# Altium PCB generic_shield.PcbDoc (part 1 of 2) (continued)
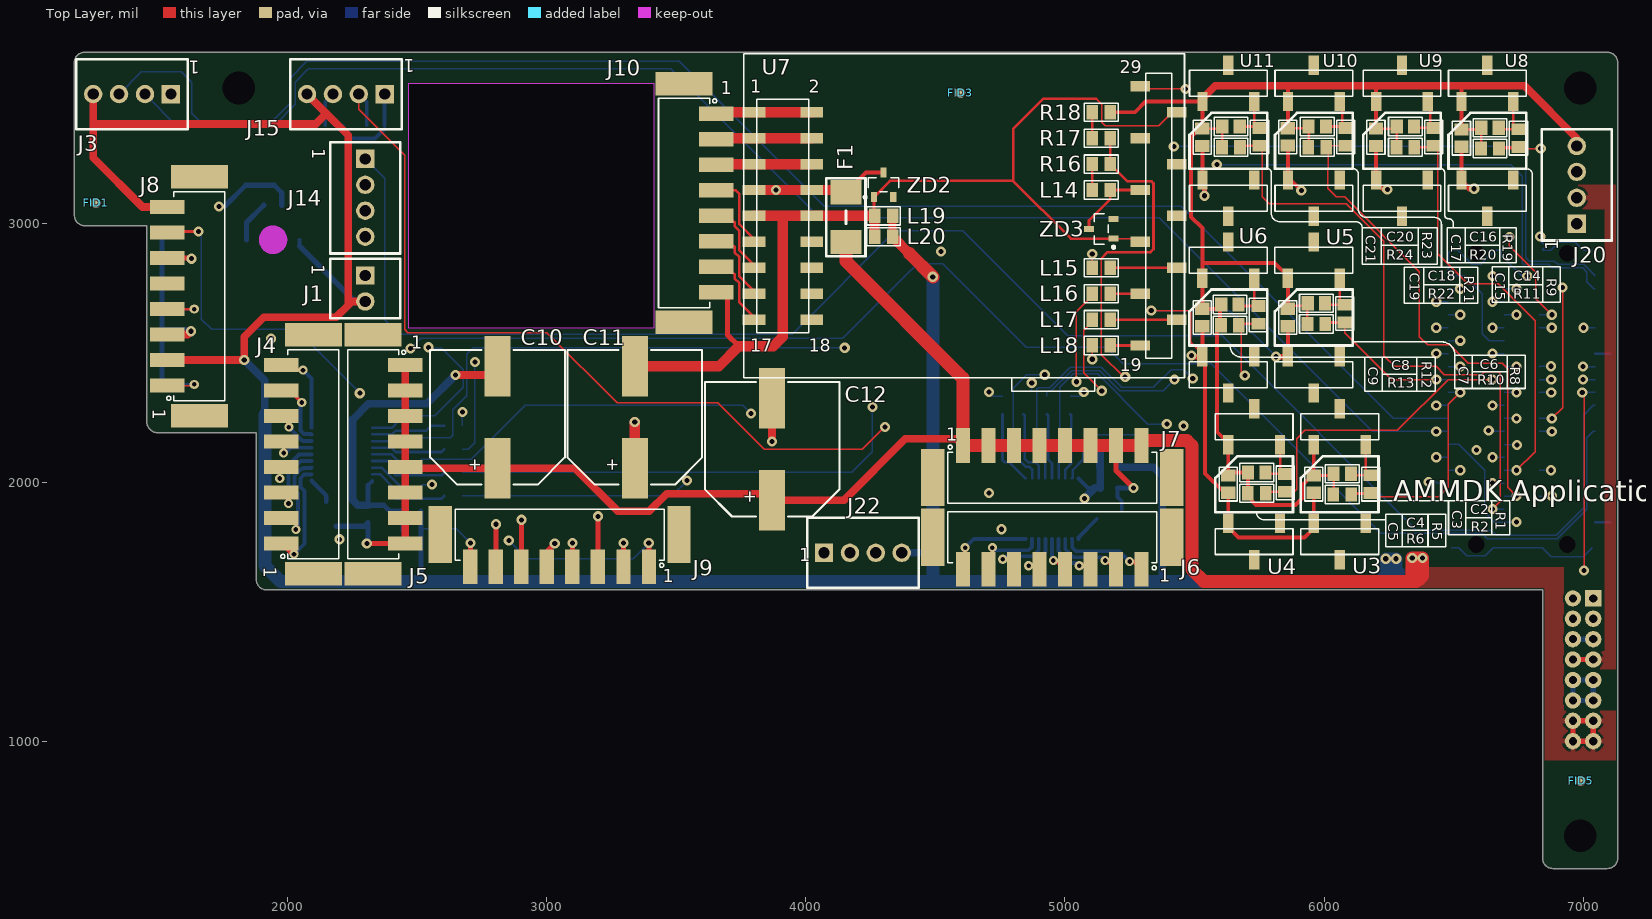
[diagram p0: Top Layer view]
## Footprints (in the part's own frame and the unit in brackets; to place one, negate y for a bottom-side part, rotate by r counter-clockwise, add the part's x,y. Pads: shape width x height; smd on the part's side, far side on the other; paste and mask are expansions set on the pad) (continued)
PLCC-2 [mm] "Reverse gullwing LED"
  rect 1.4x2.6 smd paste-10: 1(-2.6,0) 2(2.6,0)
  Keep-Out Layer circle w1.6: c0,0 r0.6
  silkscreen extent -3.5,-1.7 3.5,1.7, body extent -2.58,-1.4 2.62,1.4, height 1.87
RESC2012X07N_SAMSUNG [mm] "Chip Resistor, 2-Leads, Body 2.00x1.25mm, IPC Medium Density"
  rect 1.15x1.4 smd: 1(-0.875,0) 2(0.875,0)
  silkscreen extent -1.65,-0.89 1.65,0.89, body extent -1.1,-0.7 1.1,0.7, height 0.65
SOT95P237X111-3N [mm] "SOT23, 3-Leads, Body 2.92x2.37mm, Pitch 0.95mm, IPC Medium Density"
  rect 1x0.6 smd: 1(-1.2,0.95) 2(-1.2,-0.95) 3(1.2,0)
  silkscreen extent -1.32,-1.5 0.7,1.93, body extent -0.7,-1.52 0.7,1.52, height 1.11
TSOP65P640X155-18N [mm] "TSOP, 18-Leads, Body 6.60x4.40mm, Pitch 0.65mm, IPC Medium Density"
  oval 1.4x0.45 smd: 1(-2.975,2.6) 2(-2.975,1.95) 3(-2.975,1.3) 4(-2.975,0.65) 5(-2.975,0) 6(-2.975,-0.65) 7(-2.975,-1.3) 8(-2.975,-1.95) 9(-2.975,-2.6) 10(2.975,-2.6) 11(2.975,-1.95) 12(2.975,-1.3) 13(2.975,-0.65) 14(2.975,0) 15(2.975,0.65) 16(2.975,1.3) 17(2.975,1.95) 18(2.975,2.6)
  silkscreen extent -3.1,-3.4 1.87,3.5, body extent -3.2,-3.4 3.2,3.4, height 1.55

## Part data
C1 C3 C5 C7 C9 C13 C15 C17 C19 C21: library part CL21F104ZBCNNNC, "CAP CER 0.1UF 50V Y5V 0805", Capacitance=0.10µF, Manufacturer="Samsung Electro-Mechanics America, Inc.", Operating Temperature="-30°C ~ 85°C", Package / Case="0805 (2012 Metric)", Ratings=-, Supplier Part Number 1=1276-1007-1-ND, Temperature Coefficient="Y5V (F)", Tolerance="-20%, +80%", Voltage - Rated=50V, Applications="General Purpose", Category=Capacitors, ComponentLink1Description=http://www.samsungsem.com/kr/support/product-search/mlcc/CL21F104ZBCNNNC.jsp, ComponentLink1URL=http://www.samsungsem.com/kr/support/product-search/mlcc/CL21F104ZBCNNNC.jsp, Features=-, Height - Seated (Max)=-, Lead Spacing=-, Lead Style=-, Manufacturer Part Number=CL21F104ZBCNNNC, Mounting Type="Surface Mount, MLCC", Packaging="Cut Tape (CT)", Pricing 1="1=0.1, 10=0.031, 25=0.022, 50=0.017, 100=0.0144, 500=0.01004, 1000=0.00783 (USD)", RoHS="RoHS Compliant", Size / Dimension="0.079\" L x 0.049\" W (2.00mm x 1.25mm)", Stock 1=1030146, Supplier 1=Digi-Key, Thickness (Max)="0.037\" (0.95mm)"
C2 C4 C6 C8 C14 C16 C18 C20: library part CL21C102JBCNNNC, "CAP CER 1nF 50V C0G/NP0 0805", Capacitance=0.10µF, Manufacturer="Samsung Electro-Mechanics America, Inc.", Manufacturer Part Number=CL21F104ZBCNNNC, Operating Temperature="-30°C ~ 85°C", Package / Case="0805 (2012 Metric)", Ratings=-, Supplier Part Number 1=1276-1147-1-ND, Temperature Coefficient="Y5V (F)", Tolerance="-20%, +80%", Voltage - Rated=50V, Applications="General Purpose", Category=Capacitors, ComponentLink1Description=http://www.samsungsem.com/kr/support/product-search/mlcc/CL21F104ZBCNNNC.jsp, ComponentLink1URL=http://www.samsungsem.com/kr/support/product-search/mlcc/CL21F104ZBCNNNC.jsp, Features=-, Height - Seated (Max)=-, Lead Spacing=-, Lead Style=-, Mounting Type="Surface Mount, MLCC", Packaging="Cut Tape (CT)", RoHS="RoHS Compliant", Size / Dimension="0.079\" L x 0.049\" W (2.00mm x 1.25mm)", Supplier 1=Digi-Key, Thickness (Max)="0.037\" (0.95mm)"
C10 C11 C12: library part EMVH350ARA331MKE0S, "CAP ALUM 330UF 20% 35V SMD", Supplier Part Number 1=565-2316-1-ND, Supplier 1=Digi-Key
D1: "LED BLUE CLEAR 2PLCC SMD", Color=Blue, Current - Test=20mA, Lens Color=Colorless, Manufacturer=SunLED, Millicandela Rating=447mcd, Package / Case="2-SMD, Z-Bend", Supplier Device Package=2-PLCC, Supplier Part Number 1=1497-1233-1-ND, Voltage - Forward (Vf) (Typ)=3.3V, Category=Optoelectronics, ComponentLink1Description=http://www.sunledusa.com/products/spec/XZFBB45S-9.pdf, ComponentLink1URL=http://www.sunledusa.com/products/spec/XZFBB45S-9.pdf, Configuration=Standard, Features=-, Height (Max)=1.90mm, Lens Size="2.40mm Dia", Lens Style="Round with Flat Top", Lens Transparency=Clear, Manufacturer Part Number=XZFBB45S-9, Mounting Type="Surface Mount, Bottom Entry", Packaging="Cut Tape (CT)", Part Status=Active, Pricing 1="1=0.83, 10=0.651, 25=0.5456, 100=0.4752, 250=0.4224, 500=0.3696, 1000=0.2992 (USD)", RoHS="RoHS Compliant", Size / Dimension="3.20mm L x 2.80mm W", Stock 1=5275, Supplier 1=Digi-Key, Viewing Angle=120°, Wavelength - Dominant=470nm, Wavelength - Peak=465nm
F1: library part 0157010.DR, "FUSE BRD MNT 10A 125VAC/VDC SMD", Breaking Capacity @ Rated Voltage="35A AC, 50A DC", Color=-, Manufacturer="Littelfuse Inc.", Operating Temperature="-55°C ~ 125°C", Package / Case="2-SMD, Square End Block with Clip", Supplier Part Number 1=F2973CT-ND, Approvals="cULus, PSE", Category="Circuit Protection", ComponentLink1Description=http://www.littelfuse.com/products/fuse-blocks-fuseholders-and-fuse-accessories/fuse-clips/~/media/electronics/datasheets/fuses/littelfuse_fuse_157_datasheet.pdf.pdf, ComponentLink1URL=http://www.littelfuse.com/products/fuse-blocks-fuseholders-and-fuse-accessories/fuse-clips/~/media/electronics/datasheets/fuses/littelfuse_fuse_157_datasheet.pdf.pdf, Fuse Type="Board Mount (Cartridge Style Excluded)", Manufacturer Part Number=0157010.DR, Mounting Type="Holder, Surface Mount", Packaging="Cut Tape (CT)", Part Status=Active, Pricing 1="1=2.73, 5=2.6, 10=2.47, 50=1.9936, 100=1.6903, 250=1.64692, 500=1.38688 (USD)", Response Time=Fast, RoHS="RoHS Compliant", Size / Dimension="0.256\" L x 0.146\" W x 0.154\" H (6.50mm x 3.70mm x 3.90mm)", Stock 1=6229, Supplier 1=Digi-Key
FID1 FID2 FID3 FID4 FID5 FID6: library part fiducial
J1: "2 Position Wire to Board Terminal Block", Supplier Part Number 1=A98333-ND, Supplier 1=Digi-Key
J2: "Headers & Wire Housings 2MM V PCB HEADER 16P DR THRU-HOLE GLD", Current Rating="2 A", Manufacturer="Hirose Connector", Supplier Part Number 1=H2856-ND, Voltage Rating="250 V", Brand="Hirose Connector", Category="Headers & Wire Housings", ComponentLink1Description=http://www.mouser.com/datasheet/2/185/DF11_catalog-939040.pdf, ComponentLink1URL=http://www.mouser.com/datasheet/2/185/DF11_catalog-939040.pdf, Contact Material=Brass, Contact Plating=Gold, Manufacturer Part Number=DF11-16DP-2DSA(01), Minimum Order Quantity=1, Mounting Angle=Vertical, Mounting Style=-, Number of Positions="16 Position", Number of Rows="2 Row", Packaging=Bulk, Pitch="2 mm", Product=Headers, Reeling=False, RoHS="RoHS Compliant", RoHS - Mouser=Y, Series=DF11, Standard Pack Qty=100, Supplier 1=Digi-Key, Termination Style="Through Hole", Type=Shrouded
J3 J14 J15 J20 J22: "4 Position Wire to Board Terminal Block", Supplier Part Number 1=A98335-ND, Supplier 1=Digi-Key
J4 J5 J6 J7 J8 J9 J10: "CONN TERM BLK 8POS 2.5MM SMD", Color=Black, Manufacturer="Phoenix Contact", Operating Temperature=-, Supplier Part Number 1=277-2078-1-ND, Category="Connectors, Interconnects", Clamp Material - Plating=-, ComponentLink1Description=https://media.digikey.com/pdf/Data%20Sheets/Phoenix%20Contact%20PDFs/1771156.pdf, ComponentLink1URL=https://media.digikey.com/pdf/Data%20Sheets/Phoenix%20Contact%20PDFs/1771156.pdf, Contact Material - Plating=-, Features="Solder Retention", Housing Material="Liquid Crystal Polymer (LCP)", Manufacturer Part Number=1771156, Mating Orientation="Vertical with Board", Mounting Type="Surface Mount", Packaging="Cut Tape (CT)", Part Status=Active, Pitch="0.098\" (2.50mm)", Positions Per Level=8, Pricing 1="1=1.39, 10=1.334, 50=1.276, 100=1.2412 (USD)", RoHS="RoHS Compliant", Screw Material - Plating=-, Screw Thread=-, Stock 1=2856, Supplier 1=Digi-Key, Torque - Screw=-, Wire Gauge="20-26 AWG", Wire Termination="Screwless - Spring Cage, Tension Clamp"
J16 J17: "Board to Board & Mezzanine Connectors 40P 1.27 SMC Male", Current Rating="1.2 A", Flammability Rating="UL 94 V-0", Insulation Resistance="10 GOhms", Manufacturer=Harwin, Maximum Operating Temperature="+ 125 C", Minimum Operating Temperature="- 55 C", Supplier Part Number 1=952-3871-1-ND, Voltage Rating="100 V", Brand=Harwin, Category="Board to Board & Mezzanine Connectors", ComponentLink1Description=http://www.mouser.com/datasheet/2/181/M55-70X-1286676.pdf, ComponentLink1URL=http://www.mouser.com/datasheet/2/181/M55-70X-1286676.pdf, Contact Material="Phosphor Bronze", Contact Plating=Gold, Housing Material="Liquid Crystal Polymer (LCP)", Manufacturer Part Number=M55-7004042R, Minimum Order Quantity=1, Mounting Angle=Straight, Mounting Style="Mounting Peg", Number of Positions="40 Position", Number of Rows="2 Row", Packaging="Cut Tape", Pitch="1.27 mm", Product=Headers, Product Status="New Product", Reeling=True, RoHS="RoHS Compliant", RoHS - Mouser=Y, Stack Height="6.75 mm", Standard Pack Qty=500, Supplier 1=Digi-Key, Termination Post Length="4 mm", Termination Style=SMD/SMT, Tradename="Archer Kontrol"
L1 L2 L3 L4 L5 L6 L7 L8 L9 L10 L11 L12 L13 L14 L15 L16 L17 L18 L19 L20 L21 L22 L23 L24 L25 L26 L27 L28: "EMI Filter Beads, Chips & Arrays Impedance 30ohms IDC 3.0", Capacitance=-, Current Rating (Max)=3A, DC Resistance (DCR) (Max)="25 mOhm", Impedance @ Frequency="30 Ohm @ 100MHz", Manufacturer=Bourns, Maximum DC Current="3 A", Maximum DC Resistance="25 mOhms", Operating Temperature="-55°C ~ 125°C", Operating Temperature Range="- 55 C to + 125 C", Package / Case="0805 (2012 metric)", Supplier Part Number 1=MH2029-300YCT-ND, Test Frequency="100 MHz", Tolerance="25 %", Brand=Bourns, Category="EMI Filter Beads, Chips & Arrays", ComponentLink1Description=http://www.mouser.com/ds/2/54/h-777565.pdf, ComponentLink1URL=http://www.mouser.com/ds/2/54/h-777565.pdf, ComponentLink2Description=http://www.bourns.com/docs/Product-Datasheets/mh.pdf, ComponentLink2URL=http://www.bourns.com/docs/Product-Datasheets/mh.pdf, Filter Type="Power, Signal Line", Height="0.9 mm", Height (Max)="0.043\" (1.10mm)", Impedance="30 Ohms", Length="2 mm", Manufacturer Part Number=MH2029-300Y, Minimum Order Quantity=1, Mounting Type="Surface Mount", Number of Lines=1, Packaging=Reel, Pricing 1="1=0.1, 10=0.062, 25=0.0568, 50=0.051, 100=0.0375, 250=0.02724, 500=0.02498, 1000=0.02157 (USD)", Product="Ferrite Chip Beads", Product Category="SMD Ferrite Bead", Ratings=-, Reeling=True, RoHS="RoHS Compliant", RoHS - Mouser=Y, Size / Dimension="0.079\" L x 0.047\" W (2.00mm x 1.20mm)", Standard Pack Qty=4000, Stock 1=62738, Supplier 1=Digi-Key, Termination Style=SMD/SMT, Type="High Current Chip Ferrite Bead", Width="1.2 mm"
R1 R5 R8 R9 R12 R16 R19 R21 R23: library part RC2012F122CS, "RES SMD 1.2K OHM 1% 1/8W 0805", Manufacturer="Samsung Electro-Mechanics America, Inc.", Manufacturer Part Number=RC2012F103CS, Operating Temperature="-55°C ~ 155°C", Package / Case="0805 (2012 Metric)", Power (Watts)="0.125W, 1/8W", Resistance (Ohms)=10k, Supplier Part Number 1=1276-5275-1-ND, Temperature Coefficient=±100ppm/°C, Tolerance=±1%, Category=Resistors, ComponentLink1Description=http://media.digikey.com/pdf/Data%20Sheets/Samsung%20PDFs/RC_Series_ds.pdf, ComponentLink1URL=http://media.digikey.com/pdf/Data%20Sheets/Samsung%20PDFs/RC_Series_ds.pdf, Composition="Thick Film", Features="Moisture Resistant", Height="0.024\" (0.60mm)", Number of Terminations=2, Packaging="Cut Tape (CT)", RoHS="RoHS Compliant", Size / Dimension="0.079\" L x 0.049\" W (2.00mm x 1.25mm)", Supplier 1=Digi-Key, Supplier Device Package="0805 (2012 Metric)"
R2 R6 R10 R11 R13 R17 R18 R20 R22 R24: library part RC2012F222CS, "RES SMD 2.2K OHM 1% 1/8W 0805", Manufacturer="Samsung Electro-Mechanics America, Inc.", Manufacturer Part Number=RC2012F103CS, Operating Temperature="-55°C ~ 155°C", Package / Case="0805 (2012 Metric)", Power (Watts)="0.125W, 1/8W", Resistance (Ohms)=10k, Supplier Part Number 1=1276-5290-1-ND, Temperature Coefficient=±100ppm/°C, Tolerance=±1%, Category=Resistors, ComponentLink1Description=http://media.digikey.com/pdf/Data%20Sheets/Samsung%20PDFs/RC_Series_ds.pdf, ComponentLink1URL=http://media.digikey.com/pdf/Data%20Sheets/Samsung%20PDFs/RC_Series_ds.pdf, Composition="Thick Film", Features="Moisture Resistant", Height="0.024\" (0.60mm)", Number of Terminations=2, Packaging="Cut Tape (CT)", RoHS="RoHS Compliant", Size / Dimension="0.079\" L x 0.049\" W (2.00mm x 1.25mm)", Supplier 1=Digi-Key, Supplier Device Package="0805 (2012 Metric)"
R3 R4 R7 R14 R15: library part RC2012F103CS, "RES SMD 10K OHM 1% 1/8W 0805", Manufacturer="Samsung Electro-Mechanics America, Inc.", Operating Temperature="-55°C ~ 155°C", Package / Case="0805 (2012 Metric)", Power (Watts)="0.125W, 1/8W", Supplier Part Number 1=1276-5332-1-ND, Temperature Coefficient=±100ppm/°C, Tolerance=±1%, Category=Resistors, ComponentLink1Description=http://media.digikey.com/pdf/Data%20Sheets/Samsung%20PDFs/RC_Series_ds.pdf, ComponentLink1URL=http://media.digikey.com/pdf/Data%20Sheets/Samsung%20PDFs/RC_Series_ds.pdf, Composition="Thick Film", Features="Moisture Resistant", Height="0.024\" (0.60mm)", Manufacturer Part Number=RC2012F103CS, Number of Terminations=2, Packaging="Cut Tape (CT)", Resistance (Ohms)=10k, RoHS="RoHS Compliant", Size / Dimension="0.079\" L x 0.049\" W (2.00mm x 1.25mm)", Supplier 1=Digi-Key, Supplier Device Package="0805 (2012 Metric)"
U2 U12: "8channel source type DMOS transistor array", Supplier Part Number 1=TBD62083AFNGELCT-ND, Supplier 1=Digi-Key
U3 U4 U5 U6 U8 U9 U10 U11: "Pressure Sensor 15 PSIG", Supplier Part Number 1=480-6253-ND, Supplier 1=Digi-Key, Supplier 2=Digi-Key, Supplier Part Number 2=SAM1148-03-ND
U7: "4-Q servo controller for DC/EC motors, 2/6 A, 10-50 VDC", Supplier Part Number 1=SAM1152-11-ND, Supplier 1=Digi-Key, Supplier 2=Digi-Key, Supplier Part Number 2=SAM1146-09-ND
ZD1 ZD2 ZD3 ZD4: library part BZX84C36LT1G, "Zener Diode 36V 225mW ±6%", Supplier Part Number 1=BZX84C36LT1GOSCT-ND, Supplier 1=Digi-Key

## Free pads (board coordinates)
  round 70 hole 125.98 unplated mask+49.21: J1-18(1812.3,3523.64) J1-18(6987.8,638.49) J1-18(6987.8,3523.64)

## Via types
v1: diameter 39.37, hole 19.68, Top Layer to Bottom Layer, tented both sides, 119 vias
v2: diameter 35, hole 18, Top Layer to Bottom Layer, tented both sides, 18 vias

## Nets (pads, with @x,y where several pads share a name; then routed paths per layer and width w, separated by ;. In a path a pad name is that pad's centre, name@x,y a point inside that pad or via, vN(x,y) a via of type N, cw(c..) or ccw(c..) an arc to the next point about the centre after c; other vN are vias at no path point)
3V3: J1.1 J2.3 J2.4 J3.1 J8.3 J15.1 J20.1 J22.1 L28.2 R3.2 R4.2 R7.2 R14.2 R15.2 | length 13033.6
  Top Layer w30: J8.3@1535.98,2572.36 1615.36,2572.36 v1(1628,2585)
  Signal Layer 2 w20: 1704,3065 1705,3066 v1(1736,3066) v1@1736,3073 ; J2.4@6959.93,1475.49 J2.3@7038.67,1475.49
  Signal Layer 2 w30: J3.1@1550,3500 1665,3385 1703,3385 ; v1(1628,2585) 1628,2558 ; J1.1@2300,2800 2375,2875 J15.1@2375,3500 ; J22.1@4070,1730 3949.93,1609.93 1968,1609.93 1902.38,1675.56 1902.38,2213.62 1883,2233 1580,2233 1496,2317 1496,2426 1628,2558 ; J20.1@6975,3000 7030,3000 7055,3025 7055,3327 7007,3375 6933,3375 6678,3630 2505,3630 J15.1@2375,3500 ; 1628,2558 1704,2634 1704,3065 1704,3384 1703,3385 ; 1703,3385 1939,3385 2016,3462 2016,3531 2080,3595 2280,3595 J15.1@2375,3500
  Bottom Layer w10: R14.2@2214.45,3365.55 R14.2@2214.45,3380 ; R15.2@2374.45,3365.45 R15.2@2374.45,3380 ; J15.1@2374.45,3499.45 J15.1@2375,3500
  Bottom Layer w15: R14.2@2214.45,3365.55 2251,3329 2338,3329 R15.2@2374.45,3365.45 ; R15.2@2374.45,3380 J15.1@2374.45,3499.45
  Bottom Layer w20: R4.2@1510,2380 1515.55,2385.55 1515.55,2591 ; R7.2@1515.55,2970 R3.2@1515.55,2670 1515.55,2591 ; v1(1628,2585) 1622,2591 1515.55,2591 ; v1(1736,3066) 1757,3066 1839,3148 1949,3148 1977.84,3119.16 L28.2@1977.84,3071
5V: C3.2 C5.2 C7.2 C9.2 C15.2 C17.2 C19.2 C21.2 J2.7 J2.8 J8.6 J20.2 U3.6 U4.6 U5.6 U6.6 U8.6 U9.6 U10.6 U11.6 | length 12724.4
  Top Layer w5: v1(1630,2865) v1@1630,2867.64 ; v1(5333,2665) 5477,2665 5486,2656 5486,2542.54 5530,2498.54 U6.6@5541,2487.54 ; C9.2@5530,2596 5521.46,2604.54 C9.2@5530,2604.54 ; U11.6@5530.52,3168.54 U11.6@5530.52,3169 ; C7.2@5860,2604.54 C7.2@5860,2605 ; C19.2@5860.52,3301.01 C19.2@5860.52,3302 ; U9.6@6200.52,3168.54 U9.6@6200.52,3169
  Top Layer w15: C9.2@5530,2604.54 5530,2596 5530,2498.54 U6.6@5530,2486.54 U6.6@5541,2475.54 ; C21.2@5530,3300 5530,3169.07 U11.6@5530.52,3168.54 ; U6.6@5541,2487.54 U6.6@5541,2475.54 ; U5.6@5860,2486.54 C7.2@5860,2604.54 ; C19.2@5860,3301.54 5860.52,3301.01 U10.6@5860.52,3168.54 5871.46,3168.54 v1(5912,3128) ; C3.2@5960,1961.54 U3.6@5960,1843.54 5960,1824 5925,1789 5670,1789 5630,1829 U4.6@5630,1843.54 C5.2@5630,1961.54 5615.46,1961.54 5541,2036 U6.6@5541,2475.54 ; C17.2@6200,3300 6200,3169.07 U9.6@6200.52,3168.54 6200.52,3159.48 6228,3132 v1(6244,3132) ; U8.6@6530,3168.54 C15.2@6530,3296.54
  Top Layer w20: J8.6@1535.98,2867.64 v1@1630,2867.64 ; v1(5488,2491) 5492.46,2486.54 U6.6@5530,2486.54 ; U11.6@5530.52,3168.54 5539,3160.07 v1(5539,3108) ; v1(5814.46,2486.54) U5.6@5860,2486.54 ; U10.6@5860.52,3165.48 U10.6@5860.52,3168.54 ; U8.6@6530,3163 U8.6@6530,3165 ; U8.6@6530,3168.54 U8.6@6530,3165 ; v1(6579,3135) 6560,3135 U8.6@6530,3165 ; J2.8@6959.93,1318.01 J2.7@7038.67,1318.01
  Signal Layer 1 w15: 6221,3108 6221,3109 v1(6244,3132)
  Signal Layer 1 w20: v1(5539,3108) 5892,3108 ; v1(5912,3128) 5892,3108 ; v1(6579,3135) 6552,3108 ; J20.2@6975,3100 6967,3108 6552,3108 ; 5892,3108 6221,3108 6552,3108
  Signal Layer 1 w30: v1(1630,2865) 1606,2889 1606,3343 1648,3385 1977,3385 2016.69,3424.69 2016.69,3524.46 2017,3524.77 2017,3531 2115,3629 6678.37,3629 6910,3397.37 6910,3165 J20.2@6967,3108
  Signal Layer 2 w5: v1(5488,2491) v1@5488,2503
  Signal Layer 2 w20: v1@5488,2503 5495,2510 6201,2510 6244,2553 v1(6244,3132)
  Bottom Layer w5: v1(5333,2665) 5636,2665 v1(5814.46,2486.54)
5V_STANDBY: J2.1
12V: C1.2 C10.1 C12.1 C13.2 F1.2 J2.13 J2.14 J2.15 J2.16 J5.1 J5.2 J5.3 J5.4 J5.5 J5.6 J5.7 J5.8 J7.1 J7.2 J7.3 J7.4 J7.5 J7.6 J7.7 J7.8 J20.3 ZD1.1 ZD4.1 | length 8078.5
  Top Layer w5: v1@5264.69,1980 v1(5265,1980)
  Top Layer w20: v1(2306,1766) 2453.53,1766 J5.8@2454.02,1765.51 ; J7.7@5196.69,2144.02 5196.69,2048 v1@5264.69,1980 ; J2.16@6959.93,1003.05 J2.15@7038.67,1003.05 J2.13@7038.67,1081.79 J2.14@6959.93,1081.79 J2.16@6959.93,1003.05
  Top Layer w30: J5.8@2454.02,1765.51 J5.7@2454.02,1863.94 J5.6@2454.02,1962.36 J5.5@2454.02,2060.79 ; J5.1@2454.02,2454.49 J5.2@2454.02,2356.06 J5.3@2454.02,2257.64 J5.4@2454.02,2159.21 J5.5@2454.02,2060.79 ; J7.1@4606.14,2144.02 4580.16,2170 4384,2170 4147.15,1933.15 C12.1@3870,1933.15 3845.15,1958 3463,1958 3395,1890 3275,1890 3108.7,2056.3 C10.1@2810,2056.3 2458.5,2056.3 J5.5@2454.02,2060.79
  Top Layer w50: F1.2@4155,2929.33 4155,2855 4606.14,2403.86 J7.1@4606.14,2144.02 J7.2@4704.57,2144.02 J7.3@4802.99,2144.02 J7.4@4901.42,2144.02 J7.5@4999.84,2144.02 J7.6@5098.27,2144.02 J7.7@5196.69,2144.02 J7.8@5295.12,2144.02 5314.34,2163.24 5470.2,2163.24 5489.54,2143.91 5489.54,1665.4 5535,1619.93 6355,1619.93 ; 6340,1635 6340,1640 ; 6355,1627.31 6367.31,1627.31 6380,1640 ; 6340,1640 v1(6340,1710) v1(6380,1710) 6380,1640 ; 6340,1640 6380,1640
  Signal Layer 1 w20: J2.16@6959.93,1003.05 J2.15@7038.67,1003.05 J2.13@7038.67,1081.79 J2.14@6959.93,1081.79 J2.16@6959.93,1003.05
  Signal Layer 1 w50: 6340,1635 v1(6340,1710) v1(6380,1710) 6380,1640
  Bottom Layer w5: ZD4.1@5217.24,1897.4 ZD4.1@5219.04,1897.4 ; J2.14@6959.93,1081.79 J2.14@6959.93,1093
  Bottom Layer w15: C13.2@5203.46,1980 5203.46,1944.78 5219.04,1929.21 ZD4.1@5219.04,1897.4
  Bottom Layer w20: ZD1.1@2187.4,1832.76 2296.22,1832.76 C1.2@2310,1846.54 2310,1770 v1(2306,1766) ; C13.2@5203.46,1980 v1(5265,1980)
ADC0_DM0_RC: J16.37 R23.1 R24.2 | length 2335.6
  Top Layer w5: R23.1@5750.55,3300.55 5762,3300.55 5762,3104 5789,3077 6085,3077 6230,2932 6230,2491 6272,2449 6433,2449 6464,2418 6608,2418 6619,2429 6672,2429 6680,2421 6680,1929.41 v1(6649.23,1898.64)
  Top Layer w10: R24.2@5675,3295 5680.55,3300.55 R23.1@5750.55,3300.55
  Bottom Layer w5: v1(6649.23,1898.64) J16.37@6695.57,1898.64
ADC0_SE16_RC: J16.36
ADC0_SE17_RC: J16.34 L8.1 | length 4124.3
  Top Layer w5: v1(2557,1993) v1@2560,1993
  Signal Layer 2 w5: v1@2565,1985 2619.06,2039.06 3594.94,2039.06 3770,1864 5227,1864 5366.64,2003.64 v1(6403.38,2003.64)
  Bottom Layer w5: L8.1@2514.84,1980 2514.84,1988.45 2519.39,1993 v1(2557,1993) ; v1(6403.38,2003.64) 6432.06,2003.64 6437.06,1998.64 J16.34@6479.03,1998.64
ADC0_SE18_RC: J16.29 R9.1 R11.2 | length 1930.3
  Top Layer w5: R11.2@6674.45,3290 v1(6836,3290)
  Top Layer w10: R11.2@6674.45,3290 6680,3295.55 R9.1@6750,3295.55
  Signal Layer 2 w5: v1(6649.23,2098.64) 6784.64,2098.64 6818,2132 6818,2249 6853,2284 6981,2284 7032,2335 7032,2784 6999,2817 6898,2817 6869,2846 6869,3257 v1(6836,3290)
  Bottom Layer w5: v1(6649.23,2098.64) J16.29@6695.57,2098.64
ADC1_DM0_RC: J16.38
ADC1_DP0_RC: J16.35 R21.1 R22.2 | length 1924.1
  Top Layer w5: R21.1@6083.46,3300.55 6016,3300.55 6015.93,3294.9 6014,3136 6046,3104 6079,3104 6368,2815 6368,2564 6400,2532 6485,2532 6556,2461 6688,2461 6708,2441 6708,1982.55 v1(6741.91,1948.64)
  Top Layer w10: R22.2@6007.91,3295 6013.46,3300.55 R22.2@6016,3300.55
  Bottom Layer w5: J16.35@6695.57,1948.64 v1(6741.91,1948.64)
ADC1_SE14_RC: J16.16 R12.1 R13.2 | length 1174.3
  Top Layer w5: R13.2@5670.98,2608 5670.98,2596 5680,2586.98 5680,2583 5680,2412 5682,2414 v1(5694,2414)
  Top Layer w10: R13.2@5670.98,2608 5676.54,2613.55 R12.1@5746.54,2613.55
  Signal Layer 1 w5: v1@5698,2429 6505.73,2429 v1(6525.37,2448.64)
  Bottom Layer w5: J16.16@6479.03,2448.64 v1(6525.37,2448.64)
ADC1_SE15_RC: J16.15 J22.2 | length 3918.9
  Signal Layer 1 w5: J22.2@4170,1730 4228,1672 4442,1672 4554.12,1784.12 6516.04,1777.04 6544,1805 6851,1805 7054,2008 7054,2478 7020,2512 6805.27,2512 v1(6741.91,2448.64)
  Bottom Layer w5: J16.15@6695.57,2448.64 v1(6741.91,2448.64)
ADC1_SE16_RC: J16.33 J22.3 | length 2536.8
  Signal Layer 1 w5: J22.3@4270,1730 4392.5,1852.5 6503.09,1852.5 v1(6649.23,1998.64)
  Bottom Layer w5: v1(6649.23,1998.64) J16.33@6695.57,1998.64
ADC1_SE18_RC: J16.31 R19.1 R20.2 | length 1636.8
  Top Layer w5: R19.1@6423.46,3300.55 6438,3286.02 6438,2884 6554,2768 6672,2768 6814,2626 6814,2120.73 v1(6741.91,2048.64)
  Top Layer w10: R20.2@6347.91,3295 6417.91,3295 R19.1@6423.46,3300.55
  Bottom Layer w5: J16.31@6695.57,2048.64 v1(6741.91,2048.64)
CAN0_H: J17.33
CAN0_L: J17.34
DAC0_OUT_RC: J17.35
DAC1_OUT_RC: J17.36 U7.29 | length 3037.3
  Top Layer w5: U7.29@5291.25,3530 5301.25,3520 v1(5465,3520)
  Signal Layer 2 w5: v1(5465,3520) 6071,3520 6680,2911 6680,2685 6556,2561 6556,1984 6588,1952 6663,1952 6700,1915 6845,1915 v1(6878.64,1948.64)
  Bottom Layer w5: J17.36@6830.03,1948.64 v1(6878.64,1948.64)
FTM0_CH1: J17.14
FTM0_CH2: J17.12
FTM0_CH3: J17.6
GND: C2.1 C3.1 C4.1 C5.1 C6.1 C7.1 C8.1 C9.1 C14.1 C15.1 C16.1 C17.1 C18.1 C19.1 C20.1 C21.1 D1.2 J1.2 J2.5 J2.6 J2.9 J2.10 J2.11 J2.12 J3.4 J8.2 J8.8 J9.8 J15.4 J16.2 J16.11 J16.28 J16.39 J16.GND J17.2 J17.13 J17.39 J17.GND J20.4 J22.4 L10.1 L11.1 L19.2 L20.1 L26.1 L27.1 R2.1 R6.1 R10.1 R11.1 R13.1 R18.1 R20.1 R22.1 R24.1 U3.1 U4.1 U5.1 U6.1 U8.1 U9.1 U10.1 U11.1 | length 24345.8
  Top Layer w5: v1@2705.51,1767.51 v1(2706,1768) ; 5491,3334.1 C21.1@5523.83,3366.93 ; R13.1@5587,2589 R13.1@5599,2589 ; R13.1@5587,2601 5599,2613 5603.07,2617.07 C8.1@5603.07,2688 ; C8.1@5598.54,2683.46 C8.1@5599,2683 ; 5641.09,3522 5860.52,3522 5894,3522 ; R6.1@5706.54,1946.45 R6.1@5706.54,1960.98 ; U10.1@5860,3470.93 U10.1@5860,3488 ; 6162,3526 5978,3526 ; C17.1@6200,3366.93 6200,3512 6200.52,3512.52 6208,3520 6498,3520 ; U8.1@6530,3471.46 U8.1@6530,3488 ; R11.1@6605.55,3290 6605.55,3320 6606.54,3320.98 ; 5894,3522 5974,3522 5978,3526 ; 5894,3522 5898,3526 5978,3526
  Top Layer w10: C21.1@5530,3366.93 5599.02,3366.93 C20.1@5607.09,3375 5607.09,3295.98 R24.1@5606.1,3295 ; C8.1@5586.54,2671.46 C8.1@5598.54,2683.46 ; C5.1@5630,2028.46 C5.1@5641.54,2040 ; C4.1@5687,2040 C4.1@5706.54,2040 ; R6.1@5705.55,1960 R6.1@5706.54,1960.98 ; C7.1@5860,2671.46 5871.54,2683 5926.54,2683 C6.1@5935.55,2692.02 ; C19.1@5860,3368.46 5933.46,3368.46 C18.1@5940,3375 5940,3295.98 R22.1@5939.02,3295 ; R10.1@5935.55,2613 C6.1@5935.55,2692.02 ; C6.1@5936.54,2693 C6.1@5935.55,2692.02 ; C3.1@5960,2028.46 6030,2028.46 C2.1@6036.54,2035 6036.54,1955.98 R2.1@6035.55,1955 ; C17.1@6200,3366.93 6271.93,3366.93 C16.1@6280,3375 6280,3295.98 R20.1@6279.02,3295 ; C15.1@6530,3363.46 6600,3363.46 C14.1@6606.54,3370 6606.54,3320.98 6606.54,3290.98 R11.1@6605.55,3290
  Top Layer w15: R18.1@5174.45,3430 5270,3430 5310.93,3470.93 U11.1@5530,3470.93 ; C21.1@5523.83,3366.93 C21.1@5530,3366.93 ; U11.1@5530.52,3471.46 U11.1@5530,3470.93 ; C8.1@5586.54,2671.46 C9.1@5530,2671.46 U6.1@5530,2789.46 5530,2849 ; R13.1@5587,2601 R13.1@5587,2592.91 ; R13.1@5599,2589 R13.1@5599,2604.91 ; C8.1@5599,2683 5599,2613 R13.1@5599,2604.91 ; R13.1@5602.09,2608 R13.1@5599,2604.91 ; C5.1@5630,2028.46 U4.1@5630,2146.46 5630,2154 5587,2197 5587,2589 R13.1@5587,2592.91 ; C5.1@5641.54,2040 C4.1@5687,2040 ; R6.1@5705.55,1960 5705.55,1946.45 5737,1915 5890,1915 5916.94,1941.94 5916.94,1991.58 5953.83,2028.46 C3.1@5960,2028.46 U3.1@5960,2146.46 ; R6.1@5706.54,1960.98 C4.1@5706.54,2040 ; C7.1@5860,2671.46 U5.1@5860,2789.46 5860,2797 5808,2849 5530,2849 ; C19.1@5860,3368.46 5860,3470.93 U10.1@5860.52,3471.46 5860.52,3522 5860.52,3531.48 5861,3531.96 ; C17.1@6200,3366.93 6200.52,3367.45 U9.1@6200.52,3471.46 6200.52,3512.52 6200.52,3531.48 6201,3531.96 ; 6529,3531.96 6530,3530.96 U8.1@6530,3488 ; C15.1@6530,3363.46 U8.1@6530,3471.46 ; 5530,2849 5530,2983 5486.94,3026.06 5486.94,3337.94 5516.45,3367.45 5530,3367.45 U11.1@5530,3470.93 ; R13.1@5587,2592.91 R13.1@5599,2604.91
  Top Layer w20: J9.8@2705.51,1675.98 v1@2705.51,1767.51
  Top Layer w30: J3.4@1250,3500 1250,3383 ; J8.2@1535.98,2473.94 v1(1833.06,2473.94) 1833.06,2564.06 1907.91,2638.91 2187,2638.91 2234,2685.91 ; J8.8@1535.98,3064.49 1440.51,3064.49 1250,3255 1250,3383 ; J15.4@2075,3500 2150,3425 ; J1.2@2300,2700 2248.09,2700 2234,2685.91 ; L20.1@4334.84,2950 L19.2@4334.84,3030 ; U11.1@5530,3470.93 5530,3482 5579.96,3531.96 5861,3531.96 6201,3531.96 6529,3531.96 6773.04,3531.96 6975,3330 J20.4@6975,3300 ; 1250,3383 1252,3385 2110,3385 2150,3425 ; 2150,3425 2234,3341 2234,2685.91
  Top Layer w40: L20.1@4334.84,2950 4335,2950 4400,2885
  Top Layer w50: 4400,2885 v1(4490,2795)
  Signal Layer 2 w5: J1.2@2300,2700 2433,2567 2483,2567 2506,2544 2506,1968 v1(2706,1768) ; v1(6741.91,1848.64) 6750,1840.55 6750,1665 ; v1(6784,2798.64) 6784,2899 v1@6835,2950 ; v1(6834,2950) v1@6835,2950 ; v1@6835,2950 6842,2957 6849,2950 v1@6835,2950
  Signal Layer 2 w20: J2.6@6959.93,1396.75 J2.5@7038.67,1396.75 ; J2.12@6959.93,1160.53 J2.11@7038.67,1160.53 J2.9@7038.67,1239.27 J2.10@6959.93,1239.27 J2.12@6959.93,1160.53
  Signal Layer 2 w50: 6238,1637 v1(6238,1707) v1(6278,1707) 6278,1631
  Bottom Layer w5: L10.1@2514.84,1815 2514.84,1822 2652,1822 v1(2706,1768) ; J16.28@6479.03,2148.64 6519.36,2148.64 6619,2049 6619,1885.64 6656,1848.64 J16.39@6695.57,1848.64 v1(6741.91,1848.64) ; J16.GND@6490.85,1750.41 6519.59,1750.41 6551.35,1718.65 6605.11,1718.65 6605.45,1719 6622,1719 6653.41,1750.41 J16.GND@6683.76,1750.41 J17.GND@6841.85,1750.41 6877.26,1715 6999.35,1715 J17.GND@7034.76,1750.41 ; J16.11@6695.57,2548.64 6636.36,2548.64 6610,2575 6610,2730 6541.36,2798.64 J16.2@6479.03,2798.64 6479.03,2885.06 J16.GND@6490.85,2896.87 6515.3,2896.87 6569.5,2842.67 6605.11,2842.67 6659.31,2896.87 J16.GND@6683.76,2896.87 6683.76,2877.24 6762.36,2798.64 v1(6784,2798.64) J17.2@6830.03,2798.64 ; v1(6834,2950) 6834,2935.02 6857,2912.02 J17.GND@6841.85,2896.87 6874,2896.87 6906.13,2929 6970,2929 7002.13,2896.87 J17.GND@7034.76,2896.87
  Bottom Layer w10: J17.39@7046.57,1848.64 7103.64,1848.64 ; J17.13@7046.57,2498.64 7103.64,2498.64
  Bottom Layer w15: D1.2@2046.36,2913.64 D1.2@2046.36,2938
  Bottom Layer w20: D1.2@2046.36,2913.64 2260,2700 J1.2@2300,2700 ; L10.1@2514.84,1815 L10.1@2514.84,1800 2514.84,1624.09 2519,1619.93 ; L10.1@2514.84,1822 L11.1@2514.84,1890 ; J2.6@6959.93,1396.75 J2.5@7038.67,1396.75 ; J2.12@6959.93,1160.53 J2.10@6959.93,1239.27 J2.9@7038.67,1239.27 J2.11@7038.67,1160.53 J2.12@6959.93,1160.53
  Bottom Layer w30: v1(1833.06,2473.94) 1912.38,2394.62 1912.38,2264 ; J22.4@4370,1730 4490,1730 ; L26.1@5204.84,2140 L27.1@5204.84,2060 5343,2060 5375,2028 5375,1619.93
  Bottom Layer w50: 1912.38,2264 1912.38,1680 1972.44,1619.93 2519,1619.93 4490,1619.93 ; v1(4490,2795) 4490,1730 4490,1619.93 ; 4490,1619.93 5375,1619.93 6244.93,1619.93 ; 6244.93,1619.93 6230,1634.87 6246,1650.87 6238,1658.87 v1(6238,1707) v1(6278,1707) 6278,1664 6287,1655 6251.93,1619.93 6244.93,1619.93
I2C0_SCL: J17.7
I2C0_SDA: J17.5